# Altium PCB BMS.PcbDoc (part 3 of 3)
Units mm, origin at the board's own origin, x right, y up, seen from the top; angles counter-clockwise.
Board outline 90.28 x 95.99 mm, 8 copper layers (Top Layer (SIG), Layer 1 (GND, Layer 2 (SIG), Layer 3 (PWR), Layer 4 (PWR), Layer 5 (SIG), Layer 6 (GND), Bottom Layer (SIG)), stack 1.028 mm thick; 233 components, 137 nets, 697 pads, 625 vias.
Unrouted connection lines stored in the file: 2.
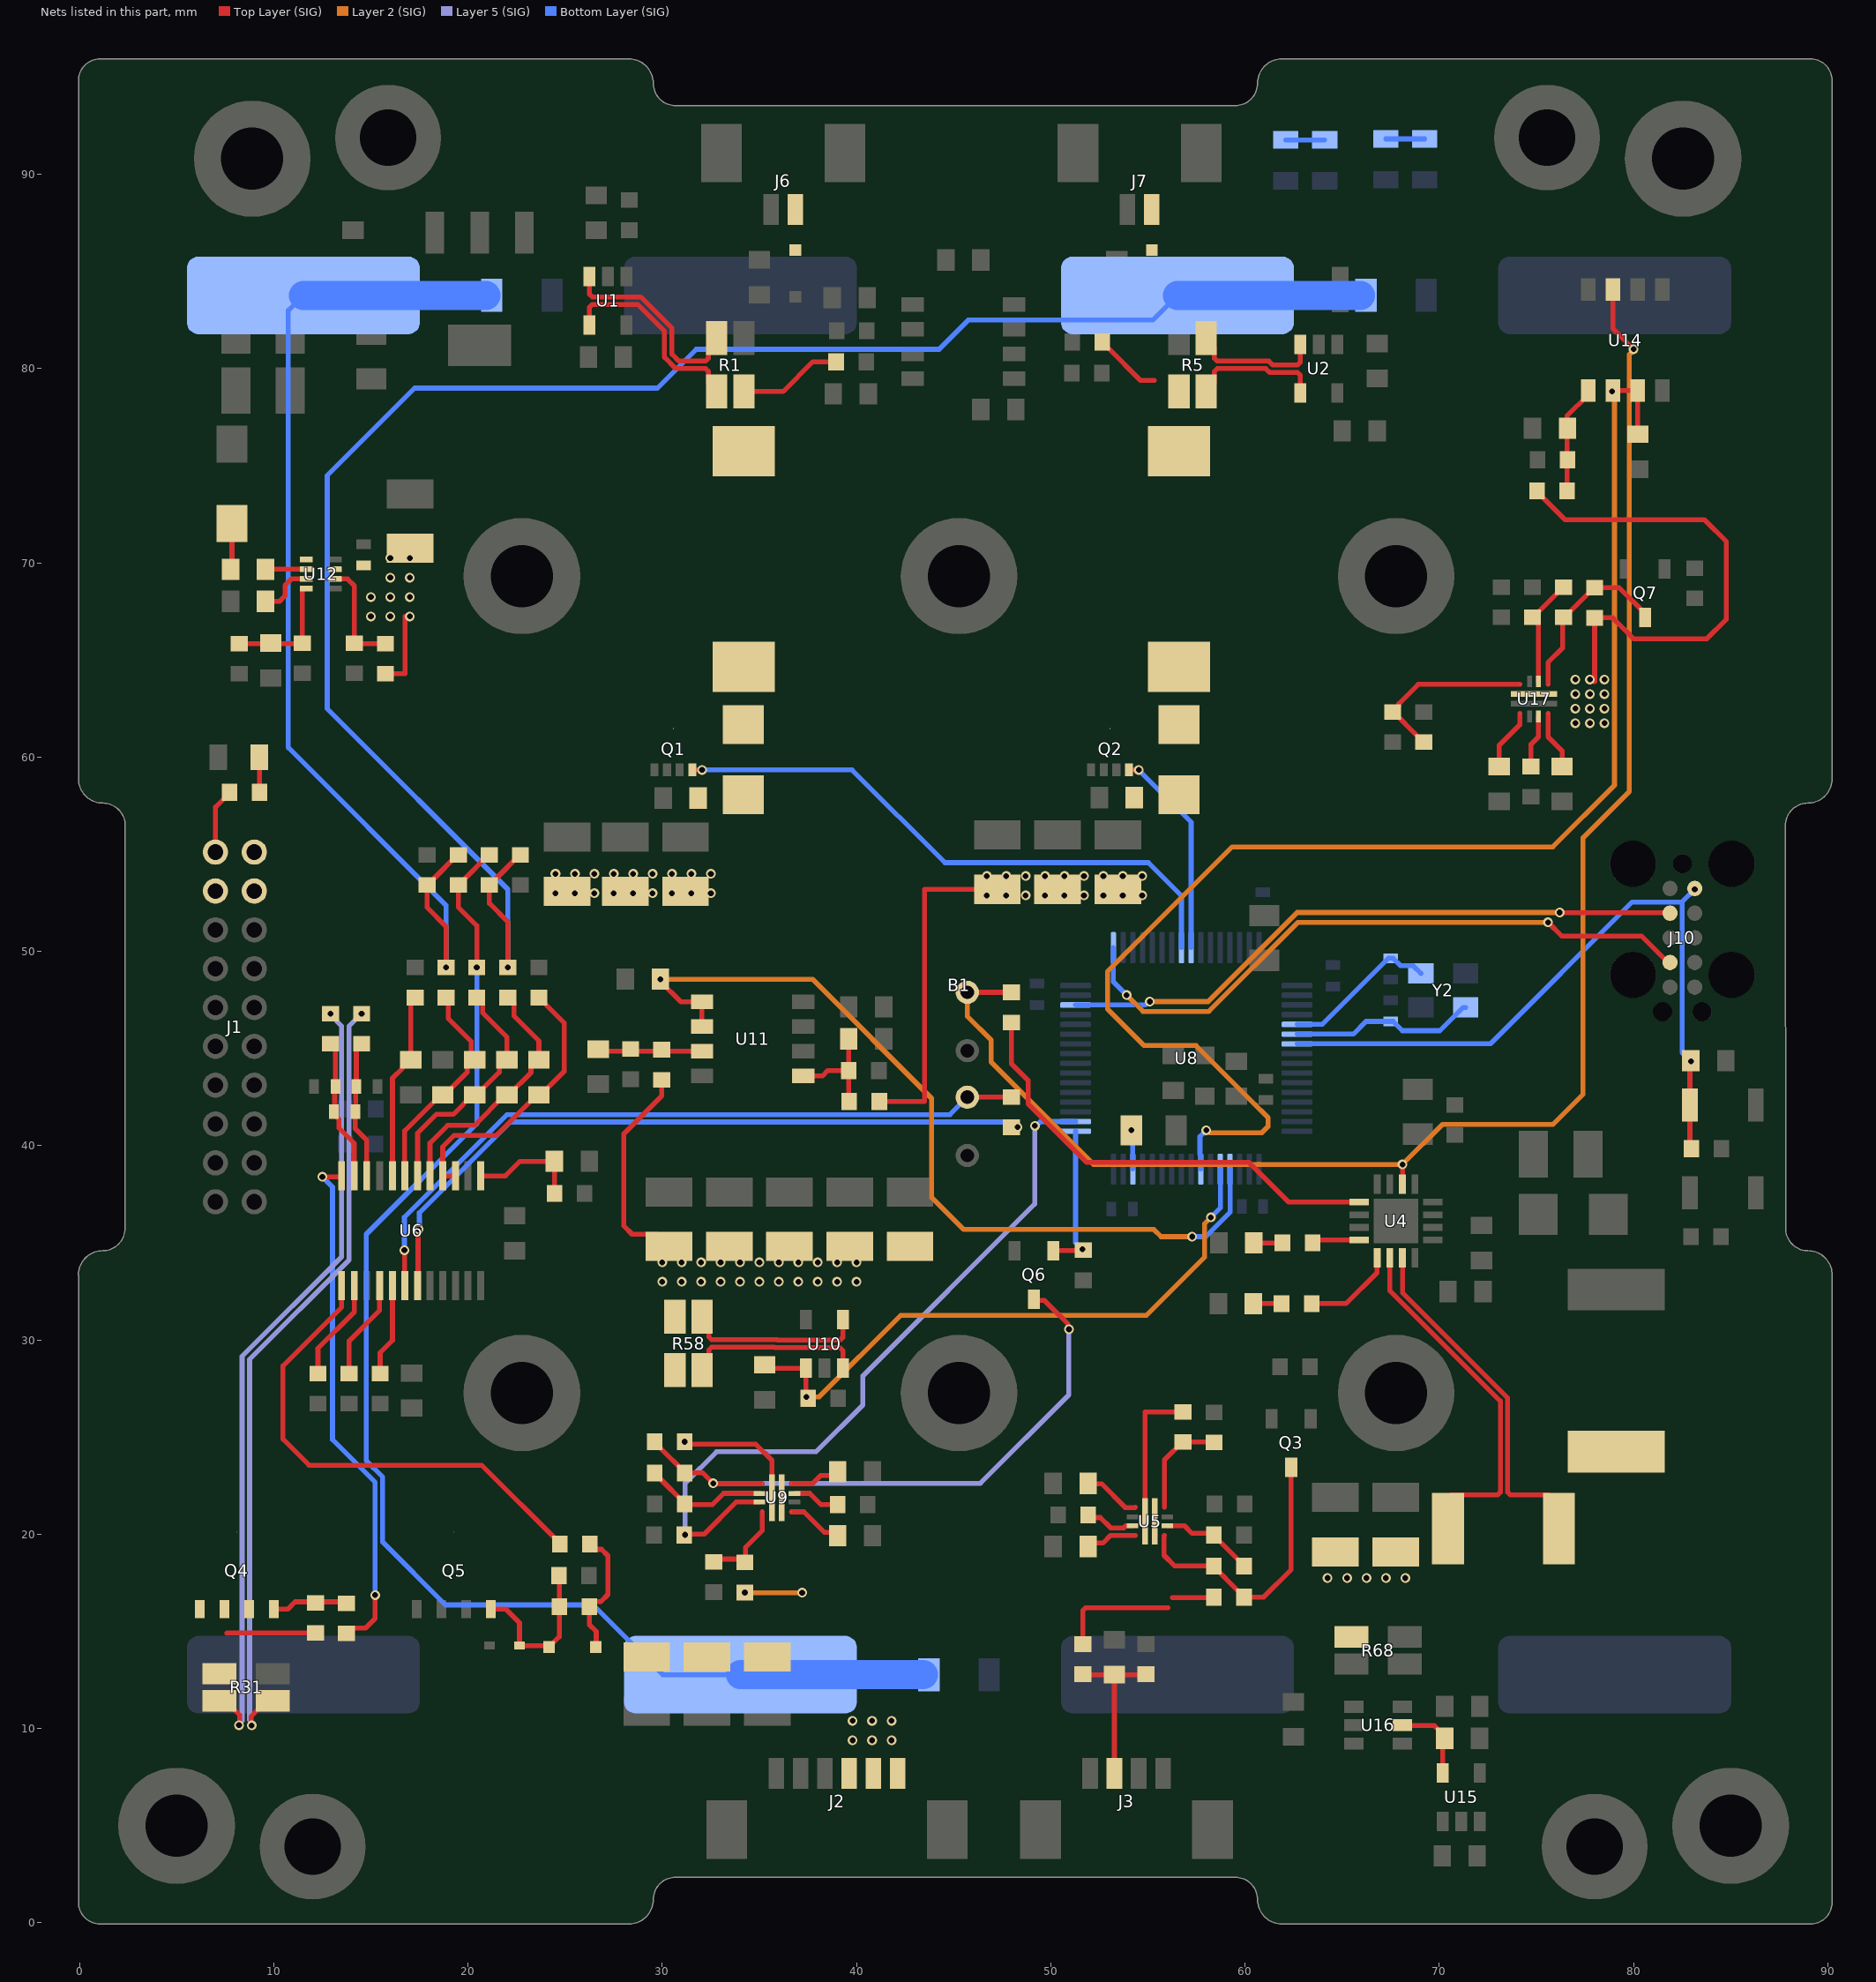
[diagram p9: the nets of this part, all layers, seen from the top]

## Via types
v1: diameter 0.5, hole 0.3, Top Layer (SIG) to Bottom Layer (SIG), tented both sides, 513 vias
v2: diameter 0.6, hole 0.3, Top Layer (SIG) to Bottom Layer (SIG), 80 vias
v3: diameter 0.5, hole 0.3, Top Layer (SIG) to Bottom Layer (SIG), 32 vias

## Nets (pads, with @x,y where several pads share a name; then routed paths per layer and width w, separated by ;. In a path a pad name is that pad's centre, name@x,y a point inside that pad or via, vN(x,y) a via of type N, cw(c..) or ccw(c..) an arc to the next point about the centre after c; other vN are vias at no path point) (continued)
NetC26_2: C26.2 R14.1 | length 1.5
  Top Layer (SIG) w0.254: C26.2@60.45,35 R14.1@61.925,35
NetC27_2: C27.2 R13.2 | length 1.5
  Top Layer (SIG) w0.254: C27.2@60.425,31.875 R13.2@61.875,31.875
NetC30_2: C30.2 U5.7 | length 3
  Top Layer (SIG) w0.254: C30.2@51.925,22.626 51.946,22.604 52.607,22.604 53.839,21.372 54.328,21.372 U5.7@54.35,21.394
NetC31_2: C31.2 U5.10 | length 2.7
  Top Layer (SIG) w0.254: C31.2@51.925,19.375 52.1,19.55 52.675,19.55 53.069,19.944 U5.10@54.35,19.944
NetC34_2: C34.2 R23.2 U6.1 | length 5.8
  Top Layer (SIG) w0.254: U6.1@20.656,38.45 21.925,38.45 22.675,39.2 C34.2@24.45,39.2 R23.2@24.45,37.55
NetC36_1: C36.1 C37.2 R25.2 U6.5 | length 15.1
  Top Layer (SIG) w0.254: U6.5@18.04,38.45 18.04,40.14 18.95,41.05 20.326,41.05 21.9,42.624 C37.2@22,42.624 C37.2@22.1,42.624 ; R25.2@22.05,47.625 22.087,47.625 22.36,47.352 22.36,46.69 23.65,45.4 C36.1@23.65,44.424 23.55,44.424 23.227,44.101 23.227,43.751 C37.2@22.1,42.624 ; C36.1@23.26,44.101 23.26,43.784 C37.2@22.1,42.624
NetC36_2: C36.2 R24.2 U6.3 U6.4 | length 14.4
  Top Layer (SIG) w0.254: U6.3@19.361,38.45 U6.4@18.701,38.45 18.701,39.951 19.275,40.525 21.451,40.525 23.55,42.624 23.75,42.624 24.95,43.824 24.95,46.325 23.96,47.314 23.96,47.352 23.687,47.625 R24.2@23.65,47.625
NetC37_1: C37.1 C38.2 R26.2 U6.6 | length 11.9
  Top Layer (SIG) w0.254: U6.6@17.405,38.45 17.405,40.655 18.364,41.614 19.239,41.614 20.25,42.624 20.45,42.624 21.61,43.784 C37.1@21.61,44.101 ; R26.2@20.45,47.625 20.487,47.625 20.76,47.352 20.76,46.839 22,45.6 C37.1@22,44.424
NetC38_1: C38.1 C39.2 R27.2 U6.7 | length 11.4
  Top Layer (SIG) w0.254: U6.7@16.745,38.45 16.745,40.769 18.6,42.624 18.8,42.624 19.96,43.784 19.96,44.101 20.283,44.424 C38.1@20.35,44.424 20.168,44.606 20.168,45.365 18.975,46.559 18.975,47.52 R27.2@18.87,47.625
NetC40_1: C40.1 R28.2 U6.8 | length 9.7
  Top Layer (SIG) w0.254: U6.8@16.111,38.452 16.111,43.486 16.627,44.001 16.627,44.101 16.95,44.424 C40.1@17.05,44.424 17.05,47.4 R28.2@17.275,47.625
NetC41_1: C41.1 C42.1 R29.2 U6.10 | length 7.2
  Top Layer (SIG) w0.254: R29.2@14.525,45.251 14.523,45.251 14.25,44.978 C42.1@14.25,43.05 14.225,43.025 14.225,41.775 C41.1@14.2,41.75 14.2,40.874 14.789,40.285 U6.10@14.789,38.45
NetC41_2: C41.2 C43.2 R30.2 U6.11 | length 7.4
  Top Layer (SIG) w0.254: R30.2@12.925,45.251 13.175,45.001 C43.2@13.175,43.05 13.138,43.013 13.138,41.788 C41.2@13.1,41.75 13.1,41.625 13.35,41.375 13.35,40.925 14.154,40.121 U6.11@14.154,38.45
NetC44_2: C44.2 U8.6 Y2.1 | length 9.6
  Bottom Layer (SIG) w0.254: U8.6@62.675,45.75 65.575,45.75 66.225,46.4 C44.2@67.5,46.4 67.625,46.4 68.1,45.925 70.025,45.925 71.225,47.125 Y2.1@71.35,47.125
NetC45_2: C45.2 U8.5 Y2.3 | length 8
  Bottom Layer (SIG) w0.254: U8.5@62.675,46.25 63.975,46.25 67.375,49.65 C45.2@67.5,49.65 ; C45.2@67.625,49.65 68.002,49.273 68.652,49.273 Y2.3@69.05,48.875
NetC47_2: C47.2 U9.7 | length 2.9
  Top Layer (SIG) w0.254: U9.7@36.65,21.159 37.294,21.159 38.343,20.11 38.845,20.11 C47.2@39.025,19.931
NetC48_2: C48.2 U9.10 | length 2.6
  Top Layer (SIG) w0.254: U9.10@36.65,22.609 37.731,22.609 38.15,23.028 38.826,23.028 C48.2@39.025,23.227
NetC49_2: C49.2 R54.1 R55.2 U11.5 | length 5.7
  Top Layer (SIG) w0.254: U11.5@37.255,43.595 38.245,43.595 38.525,43.875 R55.2@39.6,43.875 ; C49.2@39.6,45.5 39.6,42.301 R54.1@39.625,42.275
NetC51_2: C51.2 R60.1 R61.2 U11.3 | length 5.5
  Top Layer (SIG) w0.254: C51.2@26.7,44.974 26.7,44.865 U11.3@32.045,44.865
NetC62_2: C62.2 U12.7 | length 2.9
  Top Layer (SIG) w0.254: C62.2@9.575,68.025 10.3,68.025 10.575,68.3 10.575,68.85 10.9,69.175 U12.7@11.675,69.175
NetC63_1: C63.1 L4.1 U12.5 | length 2.5
  Top Layer (SIG) w0.254: C63.1@7.775,69.675 7.713,69.675 7.85,69.812 L4.1@7.85,72.025
NetC63_2: C63.2 U12.6 | length 2.1
  Top Layer (SIG) w0.254: C63.2@9.575,69.675 U12.6@11.675,69.675
NetC67_1: C67.1 R64.1 R65.2 U12.8 | length 6.2
  Top Layer (SIG) w0.254: R64.1@8.225,65.849 11.45,65.849 R65.2@11.475,65.874 11.475,68.652 11.498,68.675 U12.8@11.675,68.675
NetC71_2: C71.2 U8.30 | length 2
  Bottom Layer (SIG) w0.254: v1(54.15,40.8) 54.15,40.733 54.225,40.658 U8.30@54.225,38.8
NetC79_2: C79.2 R66.1 R67.2 U14.5 | length 5.6
  Top Layer (SIG) w0.25: R66.1@76.575,73.713 76.575,77.575 77.67,78.67 U14.5@77.67,78.87
NetC81_2: C81.2 J3.2 R56.1 R57.2 | length 8.3
  Top Layer (SIG) w0.254: R56.1@51.65,12.801 51.676,12.775 C81.2@53.275,12.775 ; J3.2@53.275,7.7 C81.2@53.275,12.775 ; R57.2@54.9,12.801 54.874,12.775 C81.2@53.275,12.775
NetC87_1: C87.1 U17.7 | length 3.2
  Top Layer (SIG) w0.254: C87.1@73.076,59.525 73.076,60.601 74.15,61.675 U17.7@74.15,62.25
NetC88_1: C88.1 U17.10 | length 3
  Top Layer (SIG) w0.254: U17.10@75.6,62.25 75.6,61.05 76.32,60.33 C88.1@76.32,59.525
NetD1_A: D1.A J6.1
NetD2_A: D2.A L1.1 Q1.D
NetD3_A: D3.A J7.1
NetD4_A: D4.A L2.1 Q2.D
NetD6_A: D6.A R34.1 R35.2 | length 6.6
  Top Layer (SIG) w0.254: R34.1@26.274,19.5 26.546,19.229 26.871,19.229 27.2,18.9 27.2,16.9 26.846,16.546 26.521,16.546 R35.2@26.25,16.275 26.25,15.351 26.6,15 26.6,14.224 D6.A@26.575,14.199
NetD6_K: D6.K D7.K Q5.G R35.1 R36.2 | length 8.4
  Top Layer (SIG) w0.254: Q5.G@21.18,16.15 21.95,16.15 22.65,15.45 D7.K@22.65,14.275 24.175,14.275 D6.K@24.175,14.2 24.701,14.726 R35.1@24.701,16.275 24.701,17.85 R36.2@24.676,17.875
NetD8_A: D8.A R42.1 | length 2
  Bottom Layer (SIG) w0.254: R42.1@67.25,91.825 D8.A@69.25,91.825
NetD9_A: D9.A R43.1 | length 2
  Bottom Layer (SIG) w0.254: D9.A@62.1,91.775 R43.1@64.1,91.775
NetD10_A: D10.A R77.1 | length 1.8
  Top Layer (SIG) w0.254: D10.A@9.25,60 9.275,59.975 R77.1@9.275,58.2
NetL1_2: L1.2 R1.4 R2.2 | length 5.4
  Top Layer (SIG) w0.254: R1.4@34.2,78.825 36.225,78.825 37.754,80.354 R2.2@38.95,80.354
NetL2_2: L2.2 R5.4 R6.2 | length 3.5
  Top Layer (SIG) w0.254: R6.2@52.649,81.37 52.649,81.332 52.922,81.059 52.959,81.059 54.619,79.4 55.325,79.4
NetL3_2: L3.2 R12.1 U4.11 | length 16.5
  Top Layer (SIG) w0.25: U4.11@68.1,34.225 68.1,32.437 73.519,27.018 73.519,22.171 73.665,22.025 R12.1@75.649,22.025
NetQ1_G: Q1.G U8.56 | length 30.5
  Top Layer (SIG) w0.254: Q1.G@31.545,59.35 v1(32.05,59.35)
  Bottom Layer (SIG) w0.254: v1(32.05,59.35) 39.775,59.35 44.549,54.576 55.024,54.576 56.725,52.875 U8.56@56.725,50.2
NetQ2_G: Q2.G U8.57 | length 10.8
  Top Layer (SIG) w0.254: Q2.G@54.025,59.35 v1(54.53,59.35)
  Bottom Layer (SIG) w0.254: v1(54.53,59.35) 57.225,56.655 U8.57@57.225,50.2
NetQ3_D: Q3.D R16.1 R17.2 U5.1 | length 14.4
  Top Layer (SIG) w0.254: U5.1@55.85,19.944 55.827,19.921 55.827,18.923 56.381,18.369 R17.2@58.4,18.369 58.4,18.332 59.652,17.08 59.676,17.08 59.949,16.807 R16.1@59.949,16.769 60.96,16.769 62.375,18.184 Q3.D@62.375,23.45
NetQ4_D: Q4.D Q5.D
NetQ4_G: Q4.G R32.1 R33.2 | length 3.9
  Top Layer (SIG) w0.254: Q4.G@9.995,16.15 10.725,16.15 11.1,16.525 13.661,16.525 R32.1@13.737,16.449
NetQ4_S: Q4.S R31.4 R33.1 | length 4.6
  Top Layer (SIG) w0.254: 7.6,14.9 7.6,14.925 R33.1@12.15,14.925
NetQ6_D: Q6.D R47.1 R48.2 U9.1 | length 32.6
  Top Layer (SIG) w0.254: R47.1@29.6,24.765 29.6,24.728 29.873,24.455 29.892,24.455 31.149,23.197 R48.2@31.149,23.159 32.091,23.159 32.641,22.609 U9.1@35.15,22.609 ; Q6.D@49.125,32.1 49.183,32.042 49.667,32.042 50.887,30.822 50.887,30.604 v1(50.934,30.557)
  Layer 5 (SIG) w0.254: v1(32.625,22.625) 46.375,22.625 50.934,27.184 v1(50.934,30.557)
NetQ7_D: Q7.D R70.1 R71.2 U17.1 | length 9.4
  Top Layer (SIG) w0.25: U17.1@75.6,63.75 75.6,64.875 76.35,65.625 76.35,67.155 R71.2@76.395,67.2 76.67,67.475 76.709,67.475 77.958,68.724 R70.1@77.995,68.724 79.261,68.724 80.595,67.39 Q7.D@80.595,67.2
NetR10_1: R10.1 R11.2 U4.2 U14.3 | length 84.5
  Top Layer (SIG) w0.254: R11.2@45.7,47.9 R10.1@47.975,47.9 ; U4.2@68.1,38.025 68.102,38.027 68.102,39.04 v1(68.104,39.042) ; U14.3@78.94,84.08 78.94,82.067 v1(80,81.007)
  Layer 2 (SIG) w0.254: R11.2@45.7,47.9 45.7,46.669 46.929,45.439 46.929,44.311 52.198,39.042 v1(68.104,39.042) 70.162,41.1 74.152,41.1 74.159,41.093 75.842,41.093 77.4,42.651 77.4,55.857 79.784,58.241 79.784,80.735 80,80.951 v1(80,81.007)
NetR13_1: R13.1 U4.9 | length 4.8
  Top Layer (SIG) w0.254: R13.1@63.424,31.875 65.2,31.875 66.8,33.475 U4.9@66.8,34.225
NetR14_2: R14.2 U4.8 | length 2.5
  Top Layer (SIG) w0.254: R14.2@63.474,35 63.624,35.15 U4.8@65.875,35.15
NetR17_1: R17.1 R18.2 U5.2 | length 4.9
  Top Layer (SIG) w0.254: U5.2@56,20.444 56.881,20.444 57.275,20.05 58.319,20.05 R18.2@58.4,19.969 58.4,19.932 59.652,18.68 59.676,18.68 59.949,18.407 R17.1@59.949,18.369
NetR20_2: R20.2 U5.9 | length 2.6
  Top Layer (SIG) w0.254: R20.2@51.925,21 52.062,20.862 52.557,20.862 53.082,20.336 53.754,20.336 53.862,20.444 U5.9@54.2,20.444
NetR21_1: R21.1 R22.2 U5.4 | length 5.4
  Top Layer (SIG) w0.254: U5.4@55.85,21.394 55.85,23.84 56.761,24.751 R21.1@56.799,24.751 58.375,24.751 R22.2@58.4,24.726
NetR21_2: R21.2 R52.2 R58.1 U5.6 U9.6 | length 10.5
  Top Layer (SIG) w0.254: U5.6@54.85,20.669 54.85,26.3 R21.2@56.799,26.3
  Layer 2 (SIG) w0.254: v1(34.25,17) v1(37.2,17)
NetR29_1: R29.1 R31.2 | length 41
  Top Layer (SIG) w0.254: v1(8.861,10.167) 8.843,10.186 8.843,10.643 9.625,11.425 R31.2@9.95,11.425
  Layer 5 (SIG) w0.254: v1(8.861,10.167) 8.814,10.214 8.814,10.388 8.755,10.447 8.755,29.005 13.882,34.132 13.882,46.166 v1@14.516,46.8
  other v1: 14.525,46.8
NetR30_1: R30.1 R31.3 | length 40.9
  Top Layer (SIG) w0.254: R31.3@7.2,11.425 7.525,11.425 8.25,10.7 8.25,10.213 v1(8.212,10.175)
  Layer 5 (SIG) w0.254: v1(8.212,10.175) 8.212,10.241 8.371,10.401 8.371,29.164 13.498,34.291 13.498,46.16 12.925,46.733 v1(12.925,46.8)
NetR32_2: R32.2 U6.12 | length 26.7
  Top Layer (SIG) w0.254: v1(12.5,38.4) 13.446,38.4 13.494,38.448 U6.12@13.494,38.45 ; R32.2@13.737,14.9 14.011,15.173 14.717,15.173 15.22,15.677 v1(15.22,16.871)
  Bottom Layer (SIG) w0.254: v1(12.5,38.4) 13.025,37.875 13.025,24.875 15.22,22.68 v1(15.22,16.871)
NetR34_2: R34.2 U6.13 | length 25.7
  Top Layer (SIG) w0.254: U6.13@13.494,32.8 13.494,31.694 10.48,28.68 10.48,24.902 11.822,23.56 20.703,23.56 24.726,19.537 R34.2@24.726,19.5
NetR37_2: R37.2 U6.14 | length 5.3
  Top Layer (SIG) w0.254: R37.2@12.275,28.274 12.275,29.575 14.154,31.454 U6.14@14.154,32.8
NetR38_2: R38.2 U6.16 | length 5.2
  Top Layer (SIG) w0.254: R38.2@13.875,28.274 13.875,29.95 15.449,31.524 U6.16@15.449,32.8
NetR39_2: R39.2 U6.17 | length 4.8
  Top Layer (SIG) w0.254: R39.2@15.475,28.274 15.475,29.35 16.11,29.985 U6.17@16.11,32.8
NetR48_1: R48.1 R49.2 U9.2 | length 6.4
  Top Layer (SIG) w0.254: R48.1@29.6,23.159 29.6,23.122 29.874,22.849 29.903,22.849 31.149,21.603 R49.2@31.149,21.565 31.189,21.525 32.575,21.525 33.159,22.109 U9.2@35,22.109
NetR51_2: R51.2 U9.9 | length 2.5
  Top Layer (SIG) w0.254: U9.9@36.8,22.109 37.594,22.109 38.176,21.527 R51.2@39.025,21.527
NetR52_1: R52.1 R53.2 U9.4 | length 4.3
  Top Layer (SIG) w0.254: R53.2@32.975,18.727 R52.1@34.278,18.727 ; R52.1@34.25,18.549 34.25,18.699 R52.1@34.278,18.727 ; U9.4@35.15,21.159 35.15,20.199 34.278,19.327 R52.1@34.278,18.727
NetR62_1: R62.1 R63.2 U12.2 | length 5.7
  Top Layer (SIG) w0.254: U12.2@13.155,69.175 13.801,69.175 14.15,68.826 R63.2@14.15,65.875 14.175,65.849 R62.1@15.75,65.849
NetR71_1: R71.1 R72.2 U17.2 | length 5.6
  Top Layer (SIG) w0.25: U17.2@75.1,63.9 75.1,66.933 74.833,67.2 75.108,67.475 75.108,67.499 76.358,68.749 R71.1@76.395,68.749
NetR74_2: R74.2 U17.9 | length 2.7
  Top Layer (SIG) w0.254: R74.2@74.72,59.525 74.72,60.67 75.1,61.05 U17.9@75.1,62.1
NetR75_2: R75.2 R76.1 U17.4 | length 9.4
  Top Layer (SIG) w0.254: R75.2@67.6,62.324 R75.2@67.637,62.324 ; R75.2@67.623,62.324 R75.2@67.637,62.324 ; R76.1@69.163,60.775 68.89,61.049 68.89,61.072 R75.2@67.637,62.324 ; U17.4@74.15,63.75 68.915,63.75 67.91,62.746 67.91,62.597 R75.2@67.637,62.324
nRST: C46.2 J10.10 R45.1 S2.1 U8.7 | length 36.7
  Top Layer (SIG) w0.254: C46.2@82.95,44.375 82.9,44.325 S2.1@82.9,42.1 82.9,39.926 R45.1@82.976,39.85
  Bottom Layer (SIG) w0.254: U8.7@62.675,45.25 72.625,45.25 79.925,52.55 82.5,52.55 ; v1(82.95,44.35) 82.5,44.8 82.5,52.55 ; v1(83.15,53.2) 82.5,52.55
SWCLK: J10.4 U8.49 | length 33.8
  Top Layer (SIG) w0.254: v1(75.6,51.5) 76.298,50.802 80.405,50.802 81.773,49.435 J10.4@81.875,49.435
  Layer 2 (SIG) w0.254: v1(53.9,47.757) 54.741,46.916 58.134,46.916 62.718,51.5 v1(75.6,51.5)
  Bottom Layer (SIG) w0.254: U8.49@53.225,50.2 53.225,48.432 v1(53.9,47.757)
SWDIO: J10.2 U8.46 | length 32.6
  Top Layer (SIG) w0.254: v1(76.2,52.007) 76.218,51.989 J10.2@81.861,51.989
  Layer 2 (SIG) w0.254: v1(55.1,47.423) 58.098,47.423 62.682,52.007 v1(76.2,52.007)
  Bottom Layer (SIG) w0.254: U8.46@51.275,47.25 54.86,47.25 55.033,47.423 v1(55.1,47.423)
SYS: C54.2 C55.2 C56.2 C57.2 C58.2 C59.2 C61.2 J1.1 J1.2 J1.3 J1.4 R58.4 R60.2 R62.2 R77.2 U12.3 | length 18.4
  Top Layer (SIG) w0.254: J1.2@7,55.118 7,57.437 7.726,58.162 R77.2@7.726,58.2 ; R62.2@15.75,64.301 16.75,64.301 16.75,67.25 ; R60.2@29.975,43.4 29.975,42.575 28.025,40.625 28.025,35.875 28.452,35.448 29.727,35.448 C58.2@30.35,34.825
  other v1: 30,33 31,33 32,33 33,33 34,33 35,33 36,33 37,33 38,33 39,33 40,33 30,34 31,34 32,34 33,34 34,34 35,34 36,34 37,34 38,34 39,34 40,34 15,67.25 16,67.25 17,67.25 15,68.25 16,68.25 17,68.25 16,69.25 17,69.25 16,70.25 17,70.25
SYS_IMON: C53.2 R59.2 U8.21 U10.1 | length 32.1
  Top Layer (SIG) w0.25: C53.2@35.275,28.725 35.45,28.55 U10.1@37.4,28.55 37.4,27.101 R59.2@37.501,27
  Layer 2 (SIG) w0.25: v1(37.425,27.075) 38.075,27.075 42.267,31.267 54.919,31.267 57.909,34.257 57.909,35.985 v1(58.239,36.316)
  Bottom Layer (SIG) w0.25: v1(58.239,36.316) 58.725,36.801 U8.21@58.725,38.8
SYS_SHUNT_N: R58.2 U10.3 | length 9.1
  Top Layer (SIG) w0.25: R58.2@32.05,28.45 32.394,28.794 32.394,29.489 32.54,29.635 35.77,29.635 35.795,29.61 39.154,29.61 39.3,29.464 U10.3@39.3,28.55
SYS_SHUNT_P: R58.3 U10.4 | length 9.1
  Top Layer (SIG) w0.25: R58.3@32.05,31.2 32.394,30.856 32.394,30.161 32.54,30.015 35.928,30.015 35.953,29.99 39.154,29.99 39.3,30.136 U10.4@39.3,31.05
SYS_VMON: C52.2 U8.20 U11.1 U11.2 | length 44.4
  Top Layer (SIG) w0.254: C52.2@29.9,48.475 30.97,47.405 U11.1@32.045,47.405 U11.2@32.045,46.135
  Layer 2 (SIG) w0.254: v1(29.9,48.575) 37.733,48.575 43.866,42.442 43.866,37.341 45.509,35.698 55.302,35.698 55.675,35.325 v1(57.275,35.325)
  Bottom Layer (SIG) w0.254: v1(57.275,35.325) 57.975,35.325 59.225,36.575 U8.20@59.225,38.8
TS: R40.1 R41.2 U6.18 | length 37.3
  Top Layer (SIG) w0.254: v1(16.725,34.625) 16.735,34.615 16.735,32.81 U6.18@16.745,32.8 ; R41.2@45.7,42.5 R40.1@47.975,42.5
  Bottom Layer (SIG) w0.254: v1(16.725,34.625) 16.725,36.325 22.009,41.609 44.809,41.609 R41.2@45.7,42.5
UMB_PG: R50.1 U8.34 U9.3 | length 38.2
  Top Layer (SIG) w0.254: R50.1@31.134,20.012 32.157,20.012 33.803,21.659 U9.3@35,21.659
  Layer 5 (SIG) w0.254: v1(31.175,19.975) 31.175,22.635 32.79,24.25 37.912,24.25 40.326,26.664 40.326,28.16 49.169,37.002 v1@49.169,41.013
  Bottom Layer (SIG) w0.254: v1(49.184,41.029) 49.251,41.029 49.472,41.25 U8.34@51.275,41.25
UMB_SHDN: Q6.G R46.2 U8.33 | length 7.8
  Top Layer (SIG) w0.254: Q6.G@50.125,34.6 51.675,34.6 R46.2@51.675,34.625
  Bottom Layer (SIG) w0.254: U8.33@51.275,40.75 51.275,35.025 v1(51.625,34.675)
UMB_VMON: C80.2 U8.23 U14.6 U14.7 | length 72.5
  Top Layer (SIG) w0.254: v1(78.885,78.834) 78.921,78.87 U14.7@80.21,78.87 80.21,76.64 C80.2@80.225,76.625
  Layer 2 (SIG) w0.254: v1@58.019,40.8 58.067,40.8 58.191,40.676 60.867,40.676 61.185,40.994 61.185,41.453 60.845,41.793 60.84,41.793 60.543,42.09 60.543,42.095 57.481,45.157 54.807,45.157 52.916,47.048 52.916,48.959 59.341,55.384 75.841,55.384 79.016,58.559 79.016,78.636 78.885,78.767 v1(78.885,78.834)
  Bottom Layer (SIG) w0.254: U8.23@57.725,38.8 57.712,38.813 57.712,39.532 57.677,39.568 57.677,40.477 v1(58,40.8)
VBATT+: C6.2 C7.2 C8.2 C9.2 C10.2 C11.2 C12.2 C13.2 C28.2 C29.2 D2.K D4.K R12.2 R16.2 R54.2 R56.2 R68.4 U4.10 U5.5 | length 42.3
  Top Layer (SIG) w0.25: R54.2@41.174,42.275 43.5,42.275 43.5,53.2 C11.2@47.25,53.2 ; R56.2@51.65,14.349 51.65,16.079 51.796,16.225 56.031,16.225 ; 56.25,16.75 58.381,16.75 R16.2@58.4,16.769 ; U4.10@67.45,34.225 67.45,32.55 73.139,26.861 73.139,22.17 72.993,22.023 R12.2@70.594,22.023
  other v1: 64.25,17.75 65.25,17.75 66.25,17.75 67.25,17.75 68.25,17.75 46.706,52.884 47.706,52.884 48.706,52.884 49.706,52.884 50.706,52.884 51.706,52.884 52.706,52.884 53.706,52.884 54.706,52.884 24.5,53 25.5,53 26.5,53 27.5,53 28.5,53 29.5,53 30.5,53 31.5,53 32.5,53 46.706,53.884 47.706,53.884 48.706,53.884 49.706,53.884 50.706,53.884 51.706,53.884 52.706,53.884 53.706,53.884 54.706,53.884 24.5,54 25.5,54 26.5,54 27.5,54 28.5,54 29.5,54 30.5,54 31.5,54 32.5,54
VC1: B1.8 F1.1 R27.1 R80.1 R81.2 | length 54.6
  Top Layer (SIG) w0.254: R81.2@17.9,53.425 17.9,52.261 18.87,51.291 v1(18.87,49.174) ; R81.2@17.937,53.425 18.21,53.699 18.21,53.722 19.463,54.974 R80.1@19.5,54.974
  Bottom Layer (SIG) w0.254: B1.8@11.525,83.775 10.75,83 10.75,60.5 18.87,52.38 v1(18.87,49.174)
  Bottom Layer (SIG) w1.5: B1.8@11.525,83.775 F1.1@20.933,83.775
VC2: B1.6 F2.1 R26.1 R79.1 R80.2 | length 69.8
  Top Layer (SIG) w0.254: R80.2@19.5,53.425 19.5,52.285 20.45,51.335 v1(20.45,49.174) ; R80.2@19.537,53.425 19.81,53.699 19.81,53.722 21.063,54.974 R79.1@21.1,54.974
  Bottom Layer (SIG) w0.254: v1(20.45,49.174) 20.45,41.136 14.762,35.448 14.762,23.793 15.604,22.951 15.604,19.602 18.841,16.366 26.434,16.366 30.025,12.775 B1.6@34.025,12.775
  Bottom Layer (SIG) w1.5: B1.6@34.025,12.775 F2.1@43.433,12.775
VC3: B1.4 F3.1 R25.1 R78.1 R79.2 | length 93.1
  Top Layer (SIG) w0.254: R79.2@21.1,53.425 21.1,52.479 22.05,51.529 v1(22.05,49.174) ; R79.2@21.137,53.425 21.411,53.699 21.411,53.722 22.663,54.974 R78.1@22.7,54.974
  Bottom Layer (SIG) w0.254: v1(22.05,49.174) 22.05,53.2 12.75,62.5 12.75,74.5 17.25,79 29.75,79 31.75,81 44.25,81 45.75,82.5 55.25,82.5 B1.4@56.525,83.775
  Bottom Layer (SIG) w1.5: B1.4@56.525,83.775 F3.1@65.933,83.775
VPANEL1_N: R1.3 U1.4 | length 10.5
  Top Layer (SIG) w0.254: U1.4@26.25,82.25 26.25,83.159 26.399,83.308 28.733,83.308 30.116,81.925 30.116,80.591 30.699,80.008 31.918,80.008 32.228,80.008 32.377,79.859 32.377,79.248 R1.3@32.8,78.825
VPANEL1_P: R1.2 U1.3 | length 10.5
  Top Layer (SIG) w0.254: U1.3@26.25,84.75 26.25,83.841 26.399,83.692 28.892,83.692 30.5,82.084 30.5,80.75 30.858,80.392 31.759,80.392 32.228,80.392 32.377,80.541 32.377,81.152 R1.2@32.8,81.575
VPANEL2_N: R5.3 U2.4 | length 6.8
  Top Layer (SIG) w0.254: R5.3@58,78.825 58.423,79.248 58.423,79.859 58.572,80.008 61.066,80.008 61.266,79.808 62.105,79.808 62.701,79.808 62.85,79.659 U2.4@62.85,78.75
VPANEL2_P: R5.2 U2.3 | length 6.8
  Top Layer (SIG) w0.254: R5.2@58,81.575 58.423,81.152 58.423,80.541 58.572,80.392 61.225,80.392 61.425,80.192 61.946,80.192 62.701,80.192 62.85,80.341 U2.3@62.85,81.25
VREF: C85.2 U15.5 U16.5 | length 4.2
  Top Layer (SIG) w0.254: U16.5@68.248,10.225 68.323,10.15 69.743,10.15 69.952,9.941 69.952,9.823 C85.2@70.275,9.5 70.175,9.4 U15.5@70.175,7.725
VREF33: R10.2 U4.5 | length 23.7
  Top Layer (SIG) w0.254: R10.2@47.975,46.351 47.975,44.226 48.832,43.369 48.832,42.168 51.85,39.15 60.201,39.15 62.251,37.1 U4.5@65.875,37.1
VTB: R40.2 U6.19 | length 36.6
  Top Layer (SIG) w0.254: U6.19@17.405,32.8 17.428,32.822 17.428,35.678 v1(17.45,35.7)
  Bottom Layer (SIG) w0.254: v1(17.45,35.7) 17.497,35.747 17.497,36.554 22.168,41.225 48.014,41.225 48.282,40.957 v1(48.285,40.957)
VUMB: C19.2 C20.2 C21.2 J2.4 J2.5 J2.6 R47.2 R66.2 R70.2 U9.5 U17.5 | length 32.7
  Top Layer (SIG) w0.254: v1(31.149,24.765) 31.149,24.728 31.238,24.639 34.811,24.639 35.65,23.8 U9.5@35.65,21.884 ; R66.2@75.026,73.713 75.026,73.675 76.476,72.225 83.65,72.225 84.775,71.1 84.775,67.1 83.775,66.1 80,66.1 78.925,67.175 R70.2@77.995,67.175 77.995,63.9 v1@77.95,63.9
  other v1: 39.8,9.4 40.8,9.4 41.8,9.4 39.8,10.4 40.8,10.4 41.8,10.4 77,61.75 77.75,61.75 78.5,61.75 77,62.5 77.75,62.5 78.5,62.5 77,63.25 77.75,63.25 78.5,63.25 77,64 77.75,64 78.5,64
pads on no net: J1.17 J1.19 J2.S1 J2.S2 J3.S1 J3.S2 J6.S1 J6.S2 J7.S1 J7.S2 J10. J10.6 J10.7 J10.8 J10.9 U6.15 U6.21 U8.2 U8.3 U8.4 U8.11 U8.24 U8.28 U8.35 U8.36 U8.37 U8.38 U8.39 U8.50 U8.51 U8.52 U8.53 U8.54 U8.55 U15.4

## Polygon pours and split planes (outlines as drawn)
NetR21_2 on Top Layer (SIG) "Topside Ground" (solid, pour order 47): 35.65,21.884 35.65,23.8 34.995,24.455 32.225,24.455 32.225,25.8 29.15,25.8 29.15,29.325 31.2,29.325 31.2,27.275 34.425,27.275 34.425,26.175 36.3,26.175 36.3,21.884
NetR21_2 on Top Layer (SIG) "Topside Ground" (solid, pour order 45): 35.9,21.884 35.9,18.7 36.6,18.7 36.6,15.625 55,15.625 55,20.254 54.7,20.254 54.7,18.45 38.275,18.45 38.275,20.684 36.3,20.684 36.3,21.884
VUMB on Top Layer (SIG) "Topside Ground" (solid, pour order 44): 28,12.297 36.6,12.297 36.6,18.7 35.8,18.7 35.8,21.884 35.5,21.884 35.5,20.684 35.125,20.684 35.125,15.625 28,15.625
VBATT+ on Top Layer (SIG) "Topside Ground" (solid, pour order 40): 63.45,19.85 69.62,19.85 69.62,22.14 71.27,22.14 71.27,16.5 66.344,16.5 66.344,14.175 57.075,14.175 55.2,16.05 55.2,20.089 55.5,20.089 55.5,19.25 57,17.75 57,16.5 57.5,16 62,16 63.45,17.45 63.45,19.295
SYS on Top Layer (SIG) "Topside Ground" (solid, pour order 34): 31.2,30.325 29.15,30.325 29.15,35.575 43.95,35.575 43.95,32.25 31.2,32.25 31.2,30.95
NetC24_2 on Top Layer (SIG) "Topside Ground" (solid, pour order 28): 69.175,36.275 69.949,36.275 70.812,35.413 70.849,35.45 74.1,35.45 74.1,31.525 81.6,31.525 81.6,34.775 76.925,34.775 76.925,37.9 75.6,37.9 74.1,37.9 74.1,36.625 69.175,36.625
NetL3_2 on Top Layer (SIG) "Topside Ground" (solid, pour order 27): 75.33,25.325 81.6,25.325 81.6,18.46 75.33,18.46 75.33,21.758
NetC1_2 on Top Layer (SIG) "Topside Ground" (solid, pour order 17): 33.65,80.7 35.55,80.7 35.55,84.25 33.65,84.25 33.65,81.845
GND on Top Layer (SIG) "Topside Ground" (solid, pour order 74): 69.25,20 69.25,23.5 63.45,23.5 63.45,20
BAT- on Top Layer (SIG) "Topside Ground" (solid, pour order 69): 18.25,26 19.5,27.25 19.5,30 20.5,31 21.5,31 23.5,33 23.5,35 23,35.5 20.75,35.5 19.75,34.5 19.75,31.75 17.75,29.75 17.75,27.5 15.25,27.5 15.25,26 17.25,26
NetB1_2 on Top Layer (SIG) "Topside Ground" (solid, pour order 68): 67.344,14.175 67.344,16.25 77,16.25 77,11 73.75,11 73.75,14.175
VBATT+ on Top Layer (SIG) "Topside Ground" (solid, pour order 25): 53.825,58.45 55.55,58.45 55.55,59.07 57.65,59.07 57.65,52.35 46.05,52.35 46.05,54.8 55.18,54.8 55.18,57.35 53.825,57.35
+5V on Top Layer (SIG) "Topside Ground" (solid, pour order 3): 7.05,75.175 7.05,83.55 11.575,88.075 18.775,88.075 18.775,86.55 12.45,86.55 8.8,82.9 8.8,75.175 8.65,75.175
GND on Top Layer (SIG) "Topside Ground" (solid, pour order 61): 29.15,36.875 43.95,36.875 43.95,40.75 29.15,40.75
SYS on Top Layer (SIG) "Topside Ground" (solid, pour order 32): 12.82,69.525 14.5,69.525 14.5,66.75 19.25,66.75 19.25,72.5 15.25,72.5 15.25,70.425 12.82,70.425
GND on Top Layer (SIG) "Topside Ground" (solid, pour order 57): 75.6,38.375 76.925,38.375 76.925,34.775 81.6,34.775 81.6,40.775 75.6,40.775
NetC22_2 on Top Layer (SIG) "Topside Ground" (solid, pour order 56): 70.175,37.275 74.1,41.2 74.1,43.05 75.6,43.05 75.6,38.375 74.1,38.375 72.65,36.925 69.675,36.925 69.675,37.275
NetC22_2 on Top Layer (SIG) "Topside Ground" (solid, pour order 52): 75.6,38.375 75.6,49.75 71.825,53.525 71.825,60 73.35,61.525 73.35,62.325 73.625,62.6 75.148,62.6 75.148,62.9 72.025,62.9 70.175,61.05 70.175,52.725 74.1,48.8 74.1,38.375
VUMB on Top Layer (SIG) "Topside Ground" (solid, pour order 54): 74.875,63.4 76.35,63.4 76.35,64.5 79.925,64.5 79.925,61.5 76.35,61.5 76.35,63.1 74.875,63.1
GND on Top Layer (SIG) "Topside Ground" (solid, pour order 12): 28,6.9 28,12.297 38.925,12.297 38.925,6.9
VUMB on Top Layer (SIG) "Topside Ground" (solid, pour order 46): 38.925,6.9 38.925,12.297 33.75,12.297 33.75,15.625 42.525,15.625 42.525,6.9
GND on Top Layer (SIG) "Topside Ground" (solid, pour order 30): 10.725,70.025 13.75,70.025 13.75,70.475 15.3,70.475 15.3,72.15 23.6,72.15 23.6,79.3 16.8,79.3 16.8,80.875 14.025,80.875 14.025,83.55 19.375,83.55 19.375,85.925 17.825,85.925 17.825,86.55 12.45,86.55 8.8,82.9 8.8,77.275 10.725,77.275
GND on Top Layer (SIG) "Topside Ground" (solid, pour order 24): 55.155,54.825 46.05,54.825 46.05,60.025 53.56,60.025 53.56,57.075 55.155,57.075
GND on Top Layer (SIG) "Topside Ground" (solid, pour order 31): 21.75,84.025 21.75,88.875 23.6,88.875 23.6,84.025
NetC63_1 on Top Layer (SIG) "Topside Ground" (solid, pour order 29): 12.006,70.025 12.006,72.975 7.05,72.975 7.05,71.075 7.05,70.5 10.65,70.5 10.65,70.025
NetD4_A on Top Layer (SIG) "Topside Ground" (solid, pour order 23): 58.2,65.95 58.2,60.32 51.24,60.32 51.24,65.95 56.6,65.95
VBATT+ on Top Layer (SIG) "Topside Ground" (solid, pour order 22): 31.395,58.45 33.12,58.45 33.12,59.07 35.22,59.07 35.22,52.35 23.9,52.35 23.9,54.8 32.75,54.8 32.75,57.35 31.395,57.35
NetD2_A on Top Layer (SIG) "Topside Ground" (solid, pour order 20): 35.8,65.95 35.8,60.32 28.84,60.32 28.84,65.95 34.2,65.95
GND on Top Layer (SIG) "Topside Ground" (solid, pour order 19): 32.7,54.8 23.9,54.8 23.9,60 31.105,60 31.105,57.05 32.7,57.05
NetL1_2 on Top Layer (SIG) "Topside Ground" (solid, pour order 18): 35.8,74.45 35.8,79.7 33.65,79.7 33.65,77.675 32.6,77.675 32.6,74.45 32.868,74.45
NetD1_A on Top Layer (SIG) "Topside Ground" (solid, pour order 16): 36.45,89 37.25,89 37.25,85.8 36.45,85.8
NetL2_2 on Top Layer (SIG) "Topside Ground" (solid, pour order 15): 55,79.7 55,74.45 58.2,74.45 58.2,77.575 57.15,77.575 57.15,79.7
NetC14_2 on Top Layer (SIG) "Topside Ground" (solid, pour order 14): 57.15,80.7 54.899,80.7 54.899,84 57.15,84 57.15,82.45
NetD3_A on Top Layer (SIG) "Topside Ground" (solid, pour order 13): 54.8,89 55.6,89 55.6,85.8 54.8,85.8
GND on Top Layer (SIG) "Topside Ground" (solid, pour order 10): 17.12,16.613 17.12,11 21.4,11 21.4,13.7 20.16,13.7 20.16,16.613
NetQ4_D on Top Layer (SIG) "Topside Ground" (solid, pour order 8): 5.885,17.885 21.48,17.885 21.48,22.34 5.885,22.34 5.885,18.945
NetQ4_S on Top Layer (SIG) "Topside Ground" (solid, pour order 6): 5.935,12.275 5.935,16.613 9.3,16.613 9.3,14.7 8.075,14.7 8.075,12.275 6.888,12.275
BAT- on Top Layer (SIG) "Topside Ground" (solid, pour order 7): 9.075,12.275 11.8,12.275 11.8,10.8 15.9,10.8 15.9,14.1 9.075,14.1
+3V3 on Top Layer (SIG) "Topside Ground" (solid, pour order 4): 14.025,80.875 16.8,80.875 16.8,79.3 23.6,79.3 23.6,84.025 21.75,84.025 21.75,88.875 19.375,88.875 19.375,83.55 14.025,83.55
BAT- on Layer 3 (PWR) "Topside Ground" (solid, pour order 66): 27.7,10.9 5.4,10.9 5.4,32.6 11.7,32.6 11.7,49.8 18.5,49.8 18.5,50 24.5,50 24.5,41.8 27.7,41.8 27.7,30.3
SYS on Layer 3 (PWR) "Topside Ground" (solid, pour order 65): 43.5,32.3 27.7,32.3 27.7,41.8 24.5,41.8 24.5,50 11.9,50 11.9,52.1 5.6,52.1 5.6,56.2 19.1,56.2 19.1,62.7 14.4,62.7 14.4,71 20.8,71 20.8,66.3 23.6,66.3 23.6,52.4 26.9,52.4 26.9,47.3 29.3,47.3 29.3,34.9 43.5,34.9 43.5,34.1
VUMB on Layer 3 (PWR) "Topside Ground" (solid, pour order 64): 39.5,9 73.1,9 73.1,61.5 79.9,61.5 79.9,64.8 70.1,64.8 70.1,11.9 39.5,11.9
VBATT+ on Layer 3 (PWR) "Topside Ground" (solid, pour order 62): 68.7,17.2 52.1,17.2 52.1,52.3 23.9,52.3 23.9,54.6 55.3,54.6 55.3,19.5 68.7,19.5
+3V3 on Layer 4 (PWR) "Topside Ground" (solid, pour order 67): 90.22,-0.05 90.22,95.94 -0.05,95.94 -0.05,-0.05 2.456,-0.05
GND on Layer 1 (GND (split plane): 369 vertices, not listed, extent 0.455,0.459 89.715,95.431
GND on Layer 6 (GND) (split plane): 369 vertices, not listed, extent 0.455,0.459 89.715,95.431

## Silkscreen, mask and mechanical layers (free items; w line width, h text height)
Top Overlay:
  text "MPPT1" at 42.2,86.1 h2 r90
  text "MPPT2" at 60.6,86.1 h2 r90
  text "RBF" at 60.1,4.4 h2
  text "UMBILICAL" at 22.2,4.321 h2
Bottom Overlay:
  text "SYS" at 12.363,54.881 h1
  text "SYS" at 5.05,54.781 h1
  text "SYS" at 12.363,52.881 h1
  text "SYS" at 5.05,52.781 h1
  text "GND" at 12.514,50.881 h1
  text "GND" at 5.05,50.781 h1
  text "GND" at 12.514,48.881 h1
  text "GND" at 5.05,48.781 h1
  text "INT" at 12.072,46.908 h1
  text "STAT" at 5.05,46.781 h1
  text "QON" at 12.541,44.92 h1
  text "CE" at 5.05,44.781 h1
  text "GND" at 12.514,42.881 h1
  text "GND" at 5.05,42.781 h1
  text "SCL" at 12.335,40.881 h1
  text "SDA" at 5.05,40.781 h1
  text "GND" at 5.05,38.781 h1
  text "GND" at 5.05,36.781 h1
Board:
  lines w0.1: 2.4,56.485 2.394,35.75 cw(c1.194,35.75) 1.194,34.55 ccw(c1.194,33.35) -0.006,33.35 0,33.35 0,1.05 ccw(c1.05,1.05) 1.05,0 28.29,0 ccw(c28.29,1.2) 29.49,1.2 cw(c30.69,1.2) 30.69,2.4 36.55,2.4 53.75,2.39 ; 2.4,56.49 ccw(c1.2,56.49) 1.2,57.69 cw(c1.2,58.89) 0,58.89 0,94.84 cw(c1.05,94.84) 1.05,95.89 28.29,95.89 cw(c28.29,94.69) 29.49,94.69 ccw(c30.69,94.69) 30.69,93.49 36.55,93.49 53.75,93.5 ; 53.63,2.4 59.49,2.4 cw(c59.49,1.2) 60.69,1.2 ccw(c61.89,1.2) 61.89,0 89.12,0 ccw(c89.12,1.05) 90.17,1.05 90.17,33.35 90.176,33.35 ccw(c88.976,33.35) 88.976,34.55 cw(c88.976,35.75) 87.776,35.75 87.77,56.485 ; 53.63,93.49 59.49,93.49 ccw(c59.49,94.69) 60.69,94.69 cw(c61.89,94.69) 61.89,95.89 89.12,95.89 cw(c89.12,94.84) 90.17,94.84 90.17,58.89 cw(c88.97,58.89) 88.97,57.69 ccw(c88.97,56.49) 87.77,56.49

## Text inside footprints (layer, text, board x,y; h text height)
B1: Mechanical 1 "18650" at 57.623,61.175 h5 r90; Mechanical 1 "18650" at 80.123,61.175 h5 r90; Mechanical 1 "18650" at 35.123,61.175 h5 r90; Mechanical 1 "18650" at 12.623,61.175 h5 r90; Bottom Overlay "+" at 4.391,84.441 h2 r90; Bottom Overlay "-" at 71.225,84.441 h2 r90; Bottom Overlay "-" at 26.225,84.441 h2 r90; Bottom Overlay "+" at 49.391,84.441 h2 r90; Bottom Overlay "-" at 3.725,12.075 h2 r90; Bottom Overlay "+" at 26.891,12.075 h2 r90; Bottom Overlay "-" at 48.725,12.109 h2 r90; Bottom Overlay "+" at 71.891,13.441 h2 r90